# Allegro board MCU013_LAUNCHXL-CC1310_CC1190.brd (continued)
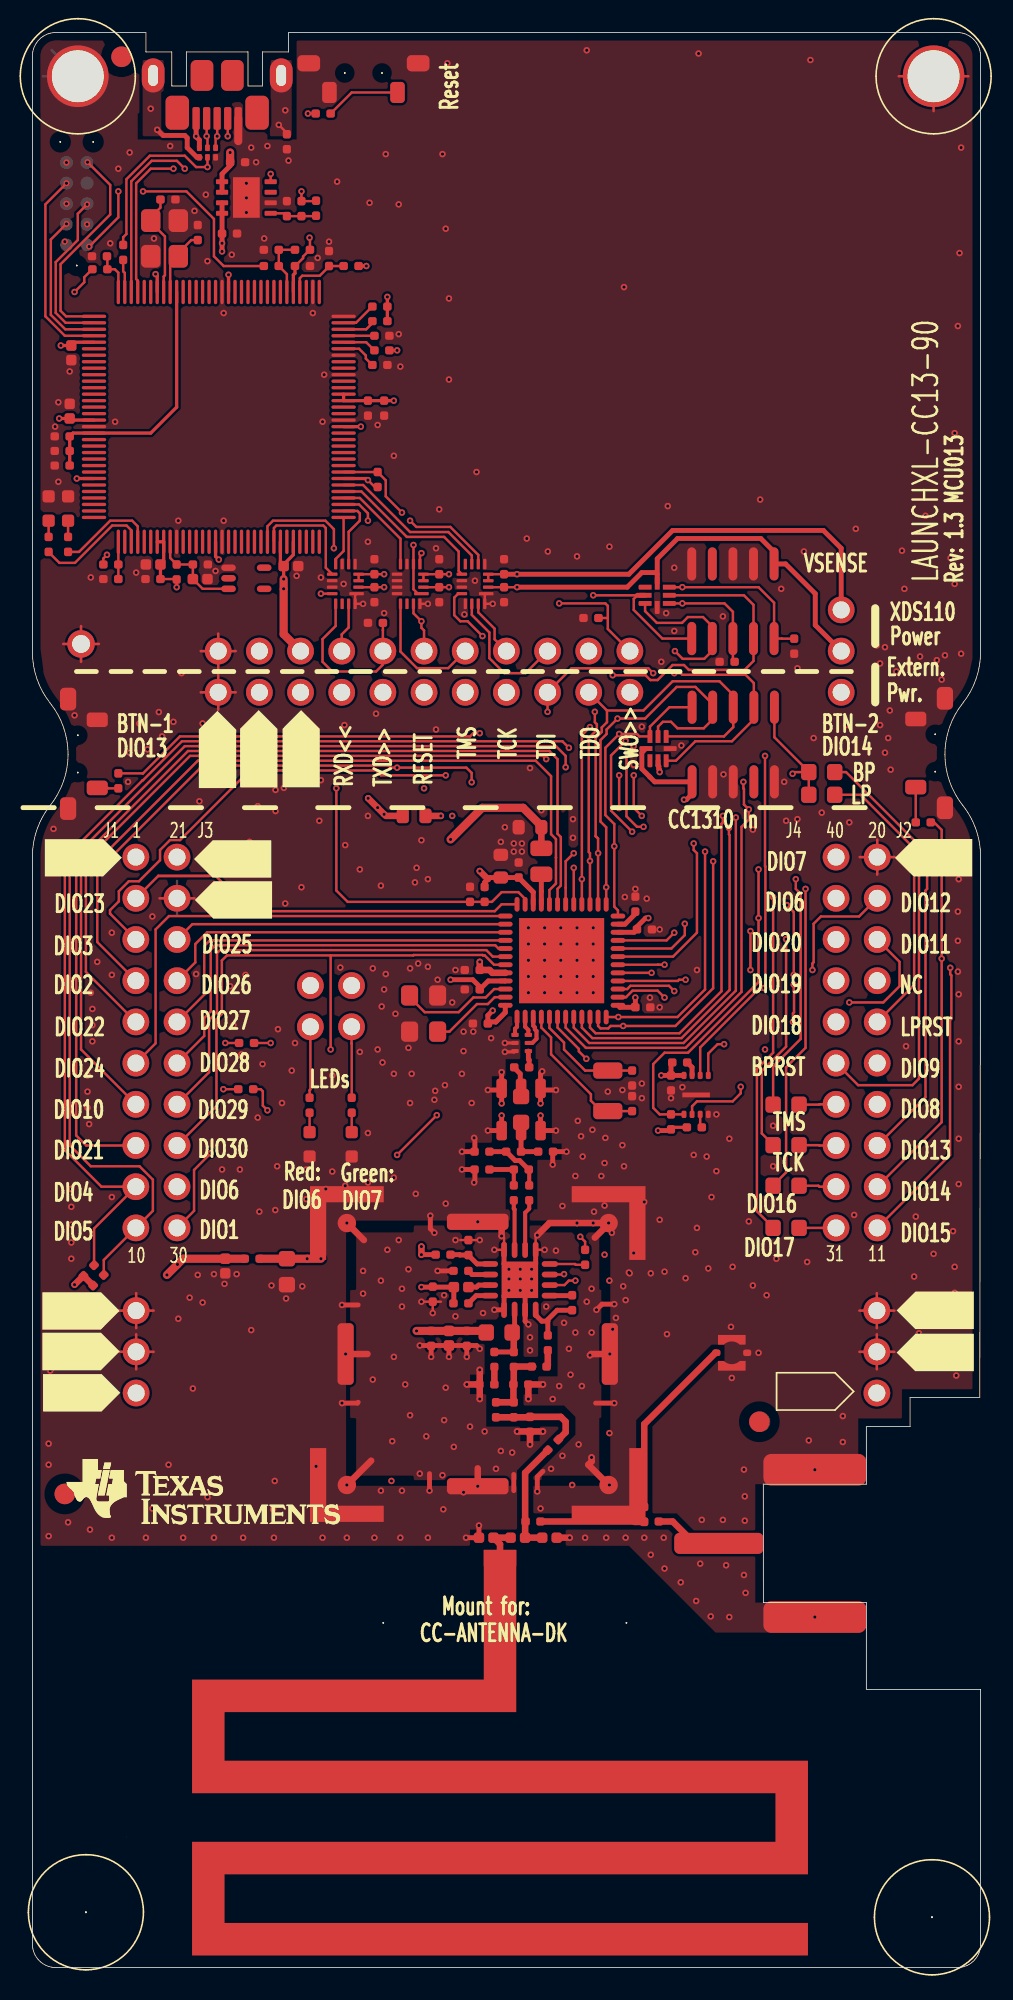
[diagram p0: board, top side]
## Footprints (pads in the part's own frame, mm; a bottom-side part is the same pattern mirrored in y, then rotated) (continued)
RESC1005X40B2N
  custom 0.524x0.5 smd: 1(0,0) 2(0.924,0)
RESC1005X40N
  custom 0.65x0.64 smd: 1(0,0) 2(0.9,0)
RESC1608X55N
  custom 0.95x1 smd: 1(0,0) 2(1.6,0)
SAMTEC_FTSH-105-01-F-DV-K-10L
  oval 0.551x2.05 smd: 1(0,0) 2(0,4.6) 3(1.27,0) 4(1.27,4.6) 5(2.54,0) 6(2.54,4.6) 7(3.81,0) 8(3.81,4.6) 9(5.08,0) 10(5.08,4.6)
SAMTEC_SSQ11023LD_A2B
  round 1.65 hole 1.05: 1(0,0) 2(2.54,0) 3(0,2.54) 4(2.54,2.54) 5(0,5.08) 6(2.54,5.08) 7(0,7.62) 8(2.54,7.62) 9(0,10.16) 10(2.54,10.16) 11(0,12.7) 12(2.54,12.7) 13(0,15.24) 14(2.54,15.24) 15(0,17.78) 16(2.54,17.78) 17(0,20.32) 18(2.54,20.32) 19(0,22.86) 20(2.54,22.86)
SON50P100X145X60-6N
  custom 0.3x0.402 smd: 1(0,0) 2(0.5,0) 3(1.001,0) 4(1.001,0.589) 5(0.5,0.589) 6(0,0.589)
SON50P300X200X60-9B2L
  custom 0.3x0.45 smd: 1(0,0) 2(0.5,0) 3(1,0) 4(1.5,0) 5(1.5,2.4) 6(1,2.4) 7(0.5,2.4) 8(0,2.4)
  rect 1.7x0.3 smd: 9(0.75,1.2)
SON65P300X300X100-9AL
  custom 0.3x0.75 smd: 1(0,0) 2(0.65,0) 3(1.3,0) 4(1.95,0) 5(1.95,3) 6(1.3,3) 7(0.65,3) 8(0,3)
  rect 2.5x1.65 smd: 9(0.975,1.5)
SOT65P210X110-5N
  oval 0.399x0.899 smd: 1(0,0) 2(0.65,0) 3(1.3,0) 4(1.3,2.2) 5(0,2.2)
SW_1188E1K2V_A2N
  round 0.099 hole 0.899 unplated: (2.229,0.6) (4.529,0.6)
  custom 1.4x1 smd: 1(0,0) 2(6.75,0)
  custom 0.9x1.3 smd: 3(1.275,1.8) 4(5.475,1.8)
TAGCONNECT_TC2050IDCNLN
  round 0.099 hole 1.001 unplated: (-1.27,0.635) (6.35,-0.38) (6.35,1.65)
  round 0.8 smd: 1(0,0) 2(1.27,0) 3(2.54,0) 4(3.81,0) 5(5.08,0) 6(5.08,1.27) 7(3.81,1.27) 8(2.54,1.27) 9(1.27,1.27) 10(0,1.27)
unnamed#2
  round 0.099 hole 3.2 unplated: (0,0) (15,0)
XFMR_0850BM14E0016_A2N
  custom 0.25x0.45 smd: 1(0,0) 2(0.5,0) 3(1,0) 4(1,0.825) 5(0.5,0.825) 6(0,0.825)
XTAL_FC-135N
  custom 1x1.798 smd: 1(0,0) 2(2.499,0)

## Nets
+5V: J1.2 P2.1 P4.20
GND: A1.2 A3.2 C3.2 C4.2 C5.2 C6.2 C7.2 C8.2 C9.2 C16.2 C17.2 C18.2 C19.2 C20.2 C25.2 C27.2 C28.2 C29.2 C30.2 C32.2 C33.2 C34.2 C35.2 C36.2 C37.2 C38.2 C39.2 C40.2 C41.2 C42.2 C43.2 C44.2 C45.2 C46.2 C48.2 C49.2 C50.2 C52.2 C53.2 C54.2 C55.2 C56.2 C57.2 C59.2 C111.2 C131.1 C161.1 C210.2 C212.1 C216.2 C217.2 CR1.1(C) CR2.1(C) CR4.1(C) CR5.1(C) CR6.3 CR7.4 CR8.4 FL2.1 FL2.3 FL2.4 FL2.6 J1.4 J2.2 J6.5 MH3.1 MH4.1 MH5.1 P1.2 P1.3 P2.2 P2.3 P4.21 P4.22 P5.3 P5.5 P5.9 P7.3 P7.5 P7.9 P8.3 P8.5 P8.9 P11.2 P11.M1 P11.M2 P12.M1 P12.M2 R21.2 R24.2 R28.1 R29.2 R32.1 R34.1 R61.1 R62.1 R63.1 R65.1 R141.2 R155.2 R156.2 SC1.1 SC1.2 SC1.3 SC1.4 SC1.5 SC1.6 SC1.7 SC1.8(GND#8) SW1.1 SW1.2 SW1.3 SW2.1 SW2.2 SW2.4 SW3.1 SW3.2 SW3.4 TR1.5 TR1.6 U1.49 U4.4 U4.9 U5.10 U5.17 U5.48 U5.55 U5.58 U5.64 U5.66 U5.80 U5.114 U6.1 U7.6 U7.9 U8.1 U8.5 U8.7 U8.10 U8.11 U8.16 U9.1 U9.5 U9.10 U9.11 U9.13 U9.16 U10.7 U10.9 U10.10 U10.11 U10.12 U10.16 U11.1 U11.3 U11.9 U11.12 U11.17 Y2.2 Y2.4 Y3.2 Y3.4(NC_4)
VDDC: C43.1 C44.1 C45.1 U5.87(VDDC#87) U5.115
VDDR: C8.1 C9.1 C16.1 L1.2 U1.45 U1.48
VDDS: C3.1 C4.1 C5.1 C6.1 C7.1 FL1.1 R1.2 U1.13 U1.22 U1.34 U1.44
BP_RESET: J2.11 R52.2
CC1190_RFIO: C15.2 FL2.2 R153.2
CC1190_VDD: C27.1 C28.1 C29.1 C161.2 C217.1 L21.1 L131.2 L161.2 L163.2 R151.1
CC1310_RESET: C20.1 CR8.2 P4.12 P5.10 R1.1 R51.2 R52.1 U1.35
CC1310_RXD: J1.7 P4.16 U1.7
CC1310_SWO: J2.9 P4.2 U1.28
CC1310_TCK: CR8.6 P4.8 P5.4 R47.2 U1.25
CC1310_TMS: CR8.7 P4.10 P5.2 R46.2 U1.24
CC1310_TXD: J1.5 P4.14 U1.8
CC1310_VDD: C30.1 C216.1 CR8.8(VCC) FL1.2 J1.1 L163.1 P1.1 P4.18 P5.1 P10.3 R2.2 R3.2 R11.2 R59.2 R60.2 U4.8(VCC)
DCDC_SW: L1.1 U1.33
DIO1: J1.20 U1.6
DIO4_SCL: J1.17 R2.1 U1.9
DIO5_SDA: J1.19 R3.1 U1.10
DIO6_RLED: J2.3 P6.2 U1.11
DIO7_GLED: J2.1 P6.4 U1.12
DIO8_MISO: J2.14 U1.14 U4.2
DIO9_MOSI: J2.12 U1.15(DIO_9) U4.5
DIO10_SCLK: J1.13 U1.16 U4.6
DIO11_CS: J2.6 U1.17
DIO12: J2.4 U1.18
DIO13_BTN1: J2.16 R56.2 U1.19
DIO14_BTN2: J2.18 R55.2 U1.20
DIO15: J2.20 U1.21
DIO16_TDO: CR8.5 P4.4 P5.6 R48.2 U1.26
DIO17_TDI: CR8.3 P4.6 P5.8 R49.2 U1.27
DIO19_CTS: J2.7 U1.29
DIO20_FLASH_CS: J2.5 R11.1 U1.30 U4.1
DIO21: J1.15 U1.31
DIO22: J1.9 U1.32
DIO23_ANALOG: J1.3 U1.36
DIO24_ANALOG: J1.11 U1.37
DIO25_ANALOG: J1.6 U1.38
DIO26_ANALOG: J1.8 U1.39
DIO27_ANALOG: J1.10 U1.40
DIO28_CC1190_HGM: J1.12 R66.1 U1.41
DIO29_CC1190_LNA_EN: J1.14 R71.1 U1.42
DIO30_CC1190_PA_EN: J1.16 R81.1 U1.43
IRSTN: P8.10 R20.2
ITCK: P8.4 U5.100
ITDI: P8.8 U5.98
ITDO: P8.6 U5.97
ITMS: P8.2 U5.99
LP_RESET: J2.10 R51.1
USB_DM: CR6.5 J6.2 U5.93
USB_DP: CR6.4 J6.3 U5.94
USB_ID: CR6.2 J6.4 R19.1
USB_VBUS: C48.1 CR6.6 J6.1(VCC) P4.19 R22.2 R152.1 U7.1 U7.2 U7.8
V-SENSE: C53.1 C55.1 C57.1 CR7.8(VCC) P7.1 P10.2 U8.2(VCCB) U9.2(VCCB) U10.2(VCCB)
XDS_RESET: R58.1 U5.40 U10.1 U10.6
XDS_RESET_LS: CR7.2 P4.11 P7.10 R57.2 U10.15
XDS_RX: U5.33 U8.8
XDS_RX_LS: P4.13 R61.2 U8.13
XDS_SWO: U5.25 U8.9
XDS_SWO_LS: P4.1 R62.2 U8.12
XDS_TCK: U5.35 U9.6
XDS_TCK_LS: CR7.6 P4.7 P7.4 U9.15
XDS_TDI: U5.38 U9.7
XDS_TDI_LS: CR7.3 P4.5 P7.8 U9.14
XDS_TDO: U5.37 U9.9
XDS_TDO_LS: CR7.5 P4.3 P7.6 R63.2 U9.12
XDS_TMS: U5.36 U10.8
XDS_TMS_DIR: U5.24 U10.5
XDS_TMS_LS: CR7.7 P4.9 P7.2 R65.2 U10.13
XDS_TX: U5.34 U8.6
XDS_TX_LS: P4.15 U8.15
XDS_VCC: C35.1 C36.1 C37.1 C38.1 C39.1 C40.1 C41.1 C42.1 C47.1 C49.1 C52.1 C54.1 C56.1 P4.17 P8.1 P10.1 R17.2 R18.2 R27.1 R30.2 R31.2 R33.2 R39.1 R58.2 U5.7 U5.8 U5.16 U5.26 U5.28 U5.39 U5.47 U5.51 U5.52 U5.69 U5.79 U5.90 U5.101 U5.113 U5.122 U7.3 U7.4(OUT#4) U8.3 U8.4 U9.3 U9.4 U10.3 U10.4
N949215: R17.1 R20.1 R21.1 U5.70
N949243: R30.1 U5.60
N949263: C47.2 R33.1 R34.2 U7.5
N949375: R28.2 U5.59
N949517: R22.1 R24.1 U5.1
N949687: C34.1 U5.89 Y3.3
N949695: C33.1 U5.88 Y3.1
N950083: C32.1 C50.1 R18.1 U5.9 U6.3
N950235: R19.2 U5.95
N951001: R39.2 U5.63
N951013: R29.1 U5.61
N951017: R27.2 U5.62
N952443: C46.1 R31.1 U5.68
N1004371: R23.2 U5.3
N1004534: R25.2 U5.4
N1013277: U1.46 Y2.3
N1013919: C15.1 TR1.1(UBP)
N1014101: C17.1 U1.4 Y1.1
N1014113: C18.1 U1.5 Y1.2
N1018952: U1.47 Y2.1
N1031635: CR6.1 J6.M1 J6.M2 R32.2
N1105722: CR1.2 R15.1
N1105771: CR2.2 R14.1
N1105824: P6.1 R14.2
N1106228: P6.3 R15.2
N1176544: J2.13 R46.1
N1176548: J2.15 R47.1
N1176568: J2.17 R48.1
N1177007: J2.19 R49.1
N1288065: R55.1 SW2.3
N1288098: R56.1 SW1.4
N1384129: R57.1 SW3.3
N1393569: C19.1 U1.23
N1442334: R59.1 U4.3
N1442341: R60.1 U4.7
N1462615: R81.2 U11.8
N1462623: R71.2 U11.7
N1462627: C213.2 C214.2 U11.4
N1462755: C215.1 L21.2 L25.1 U11.2
N1462771: C131.2 L131.1 U11.13
N1462879: L161.1 U11.16
N1462923: C210.1 L25.2
N1463021: C214.1 L26.2
N1463025: C24.1 C212.2 C215.2 L26.1 L27.1
N1463037: C213.1 U11.5
N1463305: C24.2 C25.1 L24.1 L27.2
N1463467: C219.2 L111.2 R154.2 R155.1
N1463499: C111.1 FL2.5(OUT) L111.1 R153.1
N1463655: R151.2 U11.15(VDD_PA2)
N1486885: C59.1 R152.2 U5.96
N1492721: A1.1 A2.1 L24.2 R158.2
N1607579: C218.2 R154.1 R156.1
N1607593: C218.1 U11.11
N1607716: R141.1 U11.14
N1608859: P12.1 R13.1
N1608868: P11.1 R157.1
N1608876: R13.2 R157.2 R158.1
N1616867: A2.2 A3.1 ANT1.1
N1639516: TR1.4 U1.1
N1639598: TR1.3 U1.2
N1639697: TR1.2 U1.3
N1666431: C219.1 U11.10
N10367920: CR5.2 R25.1
N10368080: CR4.2 R23.1
N14625751: R66.2 U11.6

Pads without a net: CR7 1; CR8 1; FIDU1 1; FIDU2 1; FIDU3 1; FIDU4 1; FIDU5 1; FIDU6 1; J1 18; J2 8; LBL1 1; P5 7; P7 7; P8 7; U5 2 5 6 11 12 13 14 15 18 19 20 21 22 23 27 29 30 31 32 41 42 43 44 45 46 49 50 53 54 56 57 65 67 71 72 73 74 75 76 77 78 81 82 83 84 85 86 91 92 102 103 104 105 106 107 108 109 110 111 112 116 117 118 119 120 121 123 124 125 126 127 128; U6 2 4 5; U7 7; U8 14; U9 8; U10 14

## Via types
v1: diameter 0.4, hole 0.2, TOP to BOTTOM, 679 vias
v2: diameter 0.5, hole 0.201, TOP to BOTTOM, 28 vias

## Routing (per net, layer and track width the routed paths; a pad name or vN(x,y) marks a point on that pad's centre or on a via; arc(x,y) is an arc through that point)
+5V: length 58.7
  L3 w0.5: P2.1 3.48,35.42 0.9,38 0.9,68.6 2.3,70 7.38,70 J1.2 14.01,73.55 14.01,77.41 14,77.42 P4.20
GND: length 218.4
  TOP w0.15: 26.4,44.85 C131.1 27.4,44.85 ; P4.21 12.54,81.16 ; P4.21 11.46,82.24 ; P4.21 11.46,80.08 ; P4.21 10.39,81.16 ; 52.12,67.38 J2.2 ; J2.2 52.12,69.54 ; J2.2 51.05,68.46 ; J2.2 53.2,68.46 ; P2.2 7.48,37.96 ; P2.2 5.32,37.96 ; P2.2 6.4,36.88 ; P2.2 6.4,39.04 ; 7.85,65.92 J1.4 ; J1.4 10,65.92 ; J1.4 8.92,65.38 ; MH4.1 57.75,116.6 ; MH4.1 55.6,114.45 ; MH4.1 53.45,116.6 ; 31.48,44.25 U11.9 31.05,45 ; 24.7,40.54 C161.1 ; C161.1 25.2,41.05 ; C161.1 24.2,41.05 ; P1.3 53.18,40.5 ; P1.3 52.1,39.42 ; P1.3 51.02,40.5 ; P1.3 52.1,41.58 ; 5.32,40.5 P2.3 ; P2.3 6.4,39.42 ; P2.3 6.4,41.58 ; P2.3 7.48,40.5 ; 28.67,44.25 U11.12 29.1,45 ; 25.1,38.33 C29.2 24.1,38.33 ; P4.22 12.54,78.62 ; P4.22 11.46,79.7 ; P4.22 11.46,77.54 ; P4.22 10.39,78.62 ; 1.9,81.6 MH5.1 ; MH5.1 4.1,81.6 ; MH5.1 3,82.7 ; MH5.1 3,80.5 ; 27.3,38.33 C27.2 26.3,38.33 ; v1(20.4,84.07) U8.16 19.91,84.61 U8.1 ; 52.1,36.88 P1.2 ; P1.2 51.02,37.96 ; P1.2 52.1,39.04 ; P1.2 53.18,37.96 ; v1(28.4,84.07) U9.16 27.91,84.6 28,84.69 U9.1 ; U10.16 v1(24.4,84.07)
  TOP w0.2: TR1.6 29.72,56.45 v1(29.15,56.45) ; v1(29.15,57) TR1.5
  TOP w0.3: v1(28.1,54.1) 28.85,54.1 FL2.3 ; v1(31.35,52.53) FL2.6 v1(32.3,51.6) ; v1(28.95,52.53) FL2.4 v1(28.1,51.6) ; 31.5,30.6 31.15,30.25 v1(31.15,29.35) ; v1(23.9,38.35) 24.6,38.35 ; 24.6,38.35 C28.2 ; 24.6,38.35 C29.2 24.6,37.75 ; U11.9 31.05,43.38 U11.17 ; U11.17 29.1,43.38 U11.12 ; U11.17 30.4,42.07 U11.3 30.4,39.85 v1(30.6,39.65) ; U11.17 29.1,41.43 U11.1 v1(28.5,40.55) ; v1(32.1,49.5) 32.1,50.28 C111.2 v1(32.95,50.3) ; v1(35.9,40.9) 35.15,40.9 v1(34.8,40.55) ; v1(24.8,45.3) 24.55,45.55 v1(24.55,46.35) ; v1(35.9,34.8) 34.75,34.8 ; v1(19.1,40.85) 20.1,40.85 ; 26.8,38.35 27.4,38.35 v1(27.6,38.15) ; 26.8,38.35 C28.2 ; 26.8,38.35 C27.2 26.8,37.75 ; v1(28.95,53.27) FL2.3 ; FL2.3 v1(28.95,55.2) ; FL2.1 31.35,55.15 v1(31.45,55.25) ; FL2.1 31.45,54.1 v1(32.3,54.1) ; FL2.1 v1(31.35,53.27) ; 20.1,34.85 20.05,34.8 v1(19.1,34.8) ; 26,42.95 R141.2 v1(25,42.95) ; v1(26.5,49.2) 26.5,49.2 R156.2 27.3,49.2 27.3,48.45 v1(27.25,48.4) ; 29.7,29.4 29.7,30.4 ; 25.7,37.75 C28.2 ; v1(24.5,29.4) 24.5,30.45 ; v1(27.25,51.15) 27.3,51.1 27.3,50.3 R155.2 v1(26.5,50.3) ; 27.53,27.23 v1(27.55,27.25) A3.2 v1(26.75,26.5)
  TOP w0.4: v1(19.32,37.82) 20.68,37.82 ; 30.7,33.05 C25.2 v1(30.7,32.25) ; 30.7,33.05 v1(31.5,33.05) ; 30.7,33.05 v1(29.9,33.05) ; v1(31.5,35.95) C212.1 v1(30.6,35.05) ; v1(27.6,36.85) 27.6,35.95 ; 27.6,35.95 v1(27.6,35.05) ; 27.6,35.95 C210.2 v1(26.8,35.95) ; v1(19.4,45.9) 20.45,44.85 ; v1(34.4,37.75) 34.47,37.82 v1(35.62,37.82) ; SC1.3 34.3,31 34.5,31.2 v1(34.5,31.45) ; v1(28.95,45.1) 28.95,45.57 28.55,45.97 v1(27.47,45.97) ; 34.7,45 35.55,45.85 v1(35.55,45.9) v1(34.6,45.9) v1(33.6,45.9) 31.9,45.9 v1(31.15,45.15) ; v1(19.4,29.75) 20.9,31.25 ; A1.2 v1(33.15,26.5) ; v1(27.47,29.68) 27.47,30.78
  TOP w0.5: J6.5 12.7,112.6
  L2 w0.15: 11.46,80.08 P4.21 ; P4.21 12.54,81.16 ; P4.21 11.46,82.24 ; P4.21 10.39,81.16 ; P2.2 7.48,37.96 ; P2.2 6.4,36.88 ; P2.2 5.32,37.96 ; P2.2 6.4,39.04 ; 0.65,116.6 MH3.1 ; MH3.1 4.95,116.6 ; MH3.1 2.8,114.45 ; 55.6,114.45 MH4.1 ; MH4.1 57.75,116.6 ; MH4.1 53.45,116.6 ; 1.9,81.6 MH5.1 ; MH5.1 4.1,81.6 ; MH5.1 3,80.5 ; MH5.1 3,82.7 ; 10.39,78.62 P4.22 ; P4.22 11.46,77.54 ; P4.22 11.46,79.7 ; P4.22 12.54,78.62 ; J1.4 8.92,67 ; J1.4 10,65.92 ; J1.4 8.92,64.84 ; J1.4 7.85,65.92 ; J2.2 52.12,69.54 ; J2.2 51.05,68.46 ; J2.2 53.2,68.46 ; J2.2 52.12,67.38 ; P2.3 6.4,41.58 ; P2.3 5.32,40.5 ; P2.3 7.48,40.5 ; P2.3 6.4,39.42 ; P1.2 52.1,39.04 ; P1.2 51.02,37.96 ; P1.2 52.1,36.88 ; P1.2 53.18,37.96 ; P1.3 52.1,41.58 ; P1.3 51.02,40.5 ; P1.3 52.1,39.42 ; P1.3 53.18,40.5
  BOTTOM w0.15: 52.1,39.42 P1.3 ; P1.3 51.02,40.5 ; P1.3 52.1,41.58 ; P1.3 53.18,40.5 ; J1.4 10,65.92 ; J1.4 7.85,65.92 ; J1.4 8.92,67 ; J1.4 8.92,64.84 ; MH5.1 4.1,81.6 ; MH5.1 3,82.7 ; MH5.1 1.9,81.6 ; MH5.1 3,80.5 ; P4.22 11.46,79.7 ; P4.22 11.46,77.54 ; P4.22 12.54,78.62 ; P4.22 10.39,78.62 ; 10.39,81.16 P4.21 ; P4.21 11.46,80.08 ; P4.21 11.46,82.24 ; P4.21 12.54,81.16 ; P2.3 6.4,41.58 ; P2.3 7.48,40.5 ; P2.3 6.4,39.42 ; P2.3 5.32,40.5 ; 6.4,36.88 P2.2 ; P2.2 7.48,37.96 ; P2.2 5.32,37.96 ; P2.2 6.4,39.04 ; P1.2 52.1,39.04 ; P1.2 52.1,36.88 ; P1.2 51.02,37.96 ; P1.2 53.18,37.96 ; 52.12,67.38 J2.2 ; J2.2 53.2,68.46 ; J2.2 51.05,68.46 ; J2.2 52.12,69.54 ; 0.65,116.6 MH3.1 1.18,118.22
  vias: v1(1,32.3) v1(1,31) v1(1,26.6) v1(1.1,36.8) v1(1.3,70.2) v1(1.4,95) v1(1.6,96.5) v1(1.6,91.6) v1(1.9,41) v1(2.1,111.28) v1(2.1,108.74) v1(2.2,27.45) v1(2.3,98.4) v1(2.3,38.2) v1(2.4,48) v1(2.4,46.9) v1(2.4,45.8) v1(2.4,44.7) v1(2.4,43.7) v1(2.6,77.2) v1(2.9,40.2) v1(3.37,107.47) v1(3.4,55) v1(3.4,54) v1(3.4,53) v1(3.5,52) v1(3.6,85.7) v1(3.6,60.1) v1(3.55,27) v1(3.7,59.1) v1(3.7,58.1) v1(3.7,57.1) v1(4,62) v1(4.8,106.3) v1(4.9,63.8) v1(4.9,61.2) v1(4.9,47.5) v1(4.9,26.5) v1(5.1,95.3) v1(5.3,110.9) v1(5.9,73.1) v1(6,111.9) v1(6,74.9) v1(6.4,86) v1(6.6,76.7) v1(7,26.5) v1(7.1,75.1) v1(7.4,64.8) v1(7.4,28.3) v1(7.5,106.6) v1(7.8,77.4) v1(8,75.9) v1(8.4,31) v1(8.5,112.3) v1(8.7,76.8) v1(9,89.2) v1(9,40) v1(9.2,79.8) v1(9.3,26.5) v1(9.7,41.3) v1(9.9,35.7) v1(10,108.3) v1(10.1,61.25) v1(10.2,42.7) v1(10.3,71.9) v1(10.5,76.7) v1(10.5,41) v1(10.7,109.3) v1(10.7,65.7) v1(10.8,105.2) v1(10.8,29) v1(11.2,42.75) v1(11.2,26.5) v1(11.3,86.1) v1(11.4,65.4) v1(11.6,68.6) v1(11.7,49.2) v1(11.8,102) v1(11.8,89.2) v1(11.8,73.1) v1(11.85,42.15) v1(12.2,60.5) v1(12.3,105.6) v1(12.4,58.1) v1(12.6,42.75) v1(12.8,49.2) v1(12.9,56.3) v1(13,26.5) v1(13.2,66.2) v1(13.15,61.2) v1(13.4,69.4) v1(13.5,112.2) v1(13.5,39.3) v1(13.8,111.3) v1(13.9,71.6) v1(13.9,52.4) v1(14,46.6) v1(14.2,55.7) v1(14.3,106.6) v1(14.5,112.3) v1(14.75,42.05) v1(14.85,28.25) v1(14.95,30) v1(14.9,26.5) v1(15,72.6) v1(15,71.3) v1(14.98,46.7) v1(15.1,49.4) v1(15.15,57.85) v1(15.4,53.3) v1(15.51,72.73) v1(15.6,65.6) v1(15.65,41.25) v1(15.8,111.4) v1(16,55.3) v1(16.2,57) v1(16.3,85.8) v1(16.6,66.6) v1(16.65,42) v1(16.9,49.2) v1(16.9,47.37) v1(17.3,102) v1(17.5,30.9) v1(17.6,105.4) v1(17.7,70.7) v1(17.8,85.7) v1(17.8,73.2) v1(17.9,95.3) v1(17.9,26.5) v1(18,98.2) v1(18.1,48) v1(18.3,106.4) v1(18.5,55) v1(18.5,49.08) v1(18.8,110.1) v1(19,61.65) v1(19.2,85.3) v1(19.25,76.6) v1(19.3,69.2) v1(19.3,48.2) v1(19.4,26.5) v1(20.2,67.7) v1(20.2,56.45) v1(20.4,42.95) v1(20.4,41.55) v1(20.7,87.9) v1(20.7,71) v1(20.7,51.45) v1(20.7,48.4) v1(20.8,108.8) v1(21,61.6) v1(21,36.25) v1(21.1,26.5) v1(21.2,77.3) v1(21.3,95.1) v1(21.3,56.6) v1(21.5,66.7) v1(21.5,42.35) v1(21.5,29.4) v1(21.55,59.25) v1(21.6,55.8) v1(21.7,83.5) v1(21.7,60.3) v1(21.8,111.8) v1(21.8,61.25) v1(21.9,44.25) v1(22.2,32.45) v1(22.15,30) v1(22.3,93.2) v1(22.3,55.1) v1(22.3,48.7) v1(22.3,37.65) v1(22.4,58.8) v1(22.6,108.7) v1(22.6,100.7) v1(22.6,44.85) v1(22.7,98.7) v1(22.7,26.5) v1(22.8,41.85) v1(22.8,40.75) v1(22.8,29.4) v1(23,35.95) v1(23.2,56.7) v1(23.2,43.05) v1(23.3,61.6) v1(23.3,53.3) v1(23.3,34.05) v1(23.4,55.1) v1(23.6,66.9) v1(23.7,67.8) v1(23.65,47.7) v1(23.8,61.9) v1(23.9,30.45) v1(24,69.5) v1(24,41.05) v1(24.3,32.75) v1(24.4,67.1) v1(24.4,61.7) v1(24.4,26.5) v1(24.6,37.65) v1(24.7,40.35) v1(24.85,54.05) v1(24.8,53.5) v1(24.9,87.5) v1(24.9,76.32) v1(25,60.9) v1(25.1,89.9) v1(25.3,111.8) v1(25.3,30.35) v1(25.35,28.25) v1(25.45,54.4) v1(25.4,41.45) v1(25.4,33.75) v1(25.5,107.2) v1(25.5,47.1) v1(25.5,35.75) v1(25.6,117.4) v1(25.7,102.9) v1(25.7,97.9) v1(25.7,37.65) v1(25.9,59.5) v1(26,32.1) v1(26.1,61.5) v1(26.1,44.85) v1(26.1,40.15) v1(26.5,55.1) v1(26.6,57.7) v1(26.6,56.5) v1(26.6,29.3) v1(26.65,83.42) v1(26.8,37.65) v1(27,33.35) v1(27.1,53.3) v1(27.2,57.7) v1(27.3,85.5) v1(27.4,92.2) v1(27.6,44.85) v1(27.8,40.35) v1(27.9,33.05) v1(28.3,57.3) v1(28.5,44.25) v1(28.6,30.75) v1(28.9,69.4) v1(28.9,31.85) v1(29.15,70.3) v1(29.4,43.05) v1(29.4,42.45) v1(29.4,41.75) v1(29.6,31.75) v1(29.7,69.3) v1(29.7,68.8) v1(30.1,43.05) v1(30.1,42.45) v1(30.1,41.75) v1(30.2,69.3) v1(30.2,68.8) v1(30.5,88.1) v1(30.7,73.95) v1(30.7,38.85) v1(30.7,38.05) v1(30.8,43.05) v1(30.8,42.45) v1(30.8,41.75) v1(31.35,28.3) v1(31.4,71.35) v1(31.6,44.25) v1(31.7,40.75) v1(31.8,87.3) v1(32,30.75) v1(32.1,35.05) v1(32.3,44.2) v1(32.5,35.85) v1(32.7,46.95) v1(32.7,31.55) v1(32.8,39.75) v1(33.1,38.15) v1(33.2,36.55) v1(33.35,70.8) v1(33.35,69.65) v1(33.3,29.75) v1(33.5,48.8) v1(33.5,39.15) v1(33.6,87) v1(33.65,52.2) v1(33.7,32.25) v1(33.85,51.25) v1(33.95,50) v1(33.9,35.85) v1(34.1,26.5) v1(34.2,118.2) v1(34.2,41.05) v1(34.5,41.85) v1(34.5,39.15) v1(34.55,51.65) v1(34.65,46.6) v1(35.1,48.8) v1(35.35,51.15) v1(35.3,49.6) v1(35.3,46.98) v1(35.3,43.95) v1(35.4,26.5) v1(35.5,54) v1(35.6,87.6) v1(35.6,42.35) v1(35.6,32.95) v1(35.6,29.75) v1(35.75,45.3) v1(35.8,39.35) v1(36,40.05) v1(36.4,54.1) v1(36.4,50.7) v1(36.45,42) v1(36.5,103.6) v1(36.5,49.4) v1(36.55,66) v1(36.6,41.15) v1(36.6,26.5) v1(36.8,42.85) v1(36.85,42.8) v1(37.1,74.15) v1(37.1,44.05) v1(37.2,66.5) v1(37.6,76.5) v1(37.6,54.5) v1(37.6,53.6) v1(37.75,47.2) v1(37.75,26.5) v1(37.9,65.9) v1(38.1,59.8) v1(38.15,42.8) v1(38.15,25.45) v1(38.7,64) v1(38.7,59.2) v1(38.7,46.1) v1(38.8,80.5) v1(38.95,26.5) v1(39,42.9) v1(39,24.6) v1(39.1,83.5) v1(39.2,90.1) v1(39.15,39.05) v1(39.4,53.6) v1(39.6,86.3) v1(39.6,82.4) v1(40.04,75.34) v1(40,23.75) v1(40.1,54.28) v1(40.3,42.5) v1(40.8,50.1) v1(40.9,44.1) v1(40.95,22.6) v1(41,61.5) v1(41,45.6) v1(41.1,118) v1(41.2,24.9) v1(41.3,27.6) v1(41.6,50) v1(41.7,43.1) v1(41.85,21.65) v1(41.9,47.5) v1(42.2,52.6) v1(42.2,49.1) v1(42.6,83.3) v1(42.64,73.56) v1(42.6,27.6) v1(42.8,24.8) v1(43,51.1) v1(43,21.61) v1(43.1,39.5) v1(43.2,43.2) v1(43.15,36.35) v1(43.9,30.7) v1(43.95,29.05) v1(43.95,27.55) v1(43.9,24.2) v1(44,23.1) v1(44.2,46) v1(44.45,70.15) v1(44.45,42.05) v1(44.8,37.9) v1(44.9,90.5) v1(45.3,41.45) v1(45.7,51.9) v1(45.7,49.4) v1(45.9,43.7) v1(46.2,85) v1(46.38,73.1) v1(46.5,70.7) v1(47.2,80.1) v1(47.2,70.8) v1(47.6,87.3) v1(47.8,43.5) v1(47.9,32.5) v1(48,117.6) v1(48.2,75.8) v1(48.28,30.69) v1(48.28,21.61) v1(48.7,71.2) v1(50,34) v1(50,32.4) v1(50.2,76.6) v1(50.4,70.6) v1(50.7,46.4) v1(50.8,88.7) v1(52.08,81.5) v1(52.3,80.4) v1(52.3,76.6) v1(52.6,81.4) v1(52.6,74.9) v1(52.8,75.8) v1(52.9,77.5) v1(52.95,73.85) v1(53.3,79.9) v1(53.65,87.35) v1(53.8,85) v1(53.9,56.8) v1(54.1,80.4) v1(54.4,42.6) v1(54.5,46.3) v1(54.7,39.1) v1(54.76,80.83) v1(55.1,89.5) v1(55.4,40.6) v1(55.6,44) v1(55.8,80.6) v1(56.1,79.4) v1(56.3,80.9) v1(56.65,86.9) v1(56.8,45.4) v1(56.9,94.6) v1(56.9,85.3) v1(56.9,43.2) v1(56.9,41.6) v1(57,69.3) v1(57,36.5) v1(57.1,101.2) v1(57.15,67.1) v1(57.1,65.1) v1(57.1,63.3) v1(57.1,61.4) v1(57.15,60) v1(57.15,57.1) v1(57.15,54.3) v1(57.15,51.1) v1(57.15,48.3) v1(57.2,105.7) v1(57.3,112.2) v1(57.3,81) v2(13.2,110) v2(13.2,109.1) v2(13.2,108.2) v2(30.6,64.1) v2(30.6,63.1) v2(30.6,62.1) v2(30.6,61.1) v2(30.6,60.1) v2(31.6,64.1) v2(31.6,63.1) v2(31.6,62.1) v2(31.6,61.1) v2(31.6,60.1) v2(32.6,64.1) v2(32.6,63.1) v2(32.6,62.1) v2(32.6,61.1) v2(32.6,60.1) v2(33.6,64.1) v2(33.6,63.1) v2(33.6,62.1) v2(33.6,61.1) v2(33.6,60.1) v2(34.6,64.1) v2(34.6,63.1) v2(34.6,62.1) v2(34.6,61.1) v2(34.6,60.1)
VDDC: length 16.2
  TOP w0.2: C45.1 C44.1 C43.1 2.5,94.6 U5.115 7.3,94.6 8.9,96.2 U5.87
VDDR: length 28.7
  TOP w0.3: v1(28.4,59) 28.1,58.7 28.1,58.3 ; v1(25.8,60.9) 27.17,60.9 27.6,60.47 C16.1 28.12,60.82 U1.45 ; 28.2,58.3 28.58,58.3 ; 28.2,58.3 C9.1 28.1,58.3 ; 28.2,58.3 28.1,58.3 ; 28.58,58.3 28.6,58.3 29.18,58.88 U1.48 ; 28.58,58.3 29.18,58.9
  TOP w0.4: L1.2 C8.1
  TOP w0.5: C8.1 31.4,70.38 30.28,71.5 27.75,71.5 v1(25.8,69.55)
  L3 w0.3: v1(28.4,59) 27.22,59 25.8,60.42 v1(25.8,60.9)
  L3 w0.4: v1(25.8,60.9) 25.2,61.5 25.2,68.95 v1(25.8,69.55)
VDDS: length 41.4
  TOP w0.3: 37.08,59.32 C3.1 ; C3.1 36.25,59.2 U1.13 ; C3.1 v1(37.2,59.8) ; C7.1 C6.1 28.2,67.2 27.9,66.9 R1.2 27.9,66.5 ; C7.1 30.9,66.3 U1.34 ; C7.1 30,67.19 30.9,66.29 ; v1(38,64.7) 37.83,64.7 37.3,64.17 C4.1 37.12,63.82 U1.22
  TOP w0.4: v1(27.6,62) C5.1 28.2,61.5 28.38,61.32 U1.44 ; v1(25.2,71) FL1.1 ; 28.1,67.1 v1(27.6,67.6)
  L3 w0.4: v1(38,64.7) 37.63,65.07 ; 37.63,65.07 37.25,65.45 36.85,65.45 ; 37.63,65.07 37.23,65.07 36.85,65.45 ; 36.85,65.45 28,65.45 27.6,65.85 ; v1(27.6,62) 27.6,65.85 ; 27.6,65.85 v1(27.6,67.6) 27.6,69.3 v1(25.9,71)
  L3 w0.5: v1(25.9,71) v1(25.2,71)
  L3 w0.6: v1(38,64.7) 37.2,63.9 v1(37.2,59.8)
BP_RESET: length 27.3
  TOP w0.15: J2.11 50.94,54.4 54.3,54.4 54.7,54.8 54.7,69.2 50.2,73.7 R52.2
CC1190_RFIO: length 2
  TOP w0.3: R153.2 FL2.2 30.1,54.25 30.1,55.1 29.73,55.47 C15.2
CC1190_VDD: length 12.6
  TOP w0.3: v1(24,43.95) L131.2 24.9,43.95 ; C161.2 24.68,41.95 ; 24.68,41.95 v1(24,41.95) ; 24.68,41.95 R151.1 26,40.97 L161.2
  TOP w0.4: v1(24,43.95) v1(24,44.45)
  TOP w0.5: L163.2 C217.1 v1(16.95,43.7) v1(17.8,43.7) ; L21.1 27.9,39.25 C27.1 C28.1 C29.1 v1(23.7,39.25)
CC1310_RESET: length 70.6
  TOP w0.15: v1(46.9,73.6) 47,73.7 R52.1 ; P5.10 45.78,75.84 47.9,73.72 R52.1 ; R52.1 R51.2 47.9,72.2 ; v1(18.75,72.7) 18.75,66.4 19.45,65.7 C20.1 R1.1 28.35,65.7 28.95,66.3 29.98,66.3 30.4,65.88 U1.35
  TOP w0.3: CR8.2 38.6,74.1 38.65,74.05 38.65,73.88 38.7,73.82 v1(38.7,73.7)
  L3 w0.15: v1(38.7,73.7) 38.99,73.99 46.51,73.99 v1(46.9,73.6) 46.9,72.85 46.75,72.7 46.59,72.7 46.56,72.68 43.69,72.68 43.66,72.7 27.33,72.7 27.28,72.65 26.92,72.65 26.87,72.7 v1(24.16,72.7) ; 24.2,77.56 24.16,77.59 ; 24.16,77.59 P4.12 ; 24.16,77.59 v1(24.16,72.7) ; v1(18.75,72.7) v1(24.16,72.7)
CC1310_RXD: length 83.9
  TOP w0.15: v1(27.1,73.07) 27.1,73.65 26.78,73.97 v1(22.5,73.97) 22.1,73.97 21.97,74.1 10.5,74.1 4,67.6 4,63.22 J1.7 ; U1.7 32.9,57.95 34.15,56.7 40.3,56.7 43.75,60.15 43.75,70.32 44.2,70.78 v1(44.2,71.4) 43.9,71.7 43.9,72.66 43.87,72.7 v1(43.87,73.1)
  L3 w0.15: P4.16 22.5,75.2 v1(22.5,73.97) ; v1(27.1,73.07) 27.5,73.07 27.58,73 37.2,73 37.3,73.1 v1(43.87,73.1)
CC1310_SWO: length 38.1
  TOP w0.15: v1(46.97,60.6) 46.97,60.2 46.99,60.18 46.99,58.89 46.93,58.83 v1(46.93,58.3) ; v1(34.4,76.47) 33.9,75.97 v1(33.9,67.1) U1.28 33.9,65.55 ; v1(44.3,61.5) v1(44.3,63.9)
  L3 w0.15: v1(44.3,61.5) 46,61.5 46.9,60.6 v1(46.97,60.6) ; v1(34.4,76.47) 36.71,76.47 36.86,76.62 P4.2 ; v1(44.3,63.9) 41.73,63.9 38.24,67.38 34.19,67.38 v1(33.9,67.1) ; v1(46.93,58.3) J2.9
CC1310_TCK: length 58.6
  TOP w0.15: R47.2 45.7,50.72 45,51.43 45,55.28 46.5,56.78 v1(46.5,63.4) ; CR8.6 38.6,76.5 38.9,76.8 39.4,76.8 39.8,76.4 41.42,76.4 41.97,76.95 P5.4 41.97,77.89 40.91,78.95 39.75,78.95 37.8,77 v1(36.1,77) 35.43,76.32 35.43,76.05 35.05,75.67 35.05,70.65 35.4,70.3 v1(35.4,66.6) U1.25
  L3 w0.15: v1(36.1,77) 35.7,77 35.6,76.9 30.96,76.9 P4.8 ; v1(35.4,66.6) 35.8,67 38.2,67 41.8,63.4 v1(46.5,63.4)
CC1310_TMS: length 54.9
  TOP w0.15: v1(47.1,67.1) 47.1,66.5 47.4,66.2 47.4,57.25 45.7,55.55 R46.2 ; P5.2 39.3,77.7 38.1,76.5 CR8.7 37.45,75.9 37.3,76.05 v1(36.2,76.05) 35.35,75.2 35.35,71.05 35.9,70.5 v1(35.9,69.12) 35.9,65.4 36.12,65.18 U1.24
  L3 w0.15: v1(35.9,69.12) 38.6,69.12 40.62,67.1 v1(47.1,67.1) ; v1(36.2,76.05) 33.85,76.05 33.4,76.5 28.82,76.5 P4.10
CC1310_TXD: length 81.3
  TOP w0.15: v1(43.4,70.9) 43.4,60.22 40.18,57 34.35,57 33.4,57.95 U1.8 ; v1(25.5,73.5) 21.5,73.5 21.2,73.8 13.4,73.8 9.11,69.51 8.49,69.51 7.87,68.9 7.87,68.27 6.57,66.97 5.95,66.97 5.33,66.35 5.33,65.73 4.79,65.19 4.79,64.97 J1.5 ; v1(36.2,71.49) v1(36.2,73.5)
  L3 w0.15: P4.14 22.67,79.67 25.18,79.67 25.5,79.35 v1(25.5,73.5) v1(36.2,73.5) ; v1(43.4,70.9) 43.4,71.3 43.22,71.49 v1(36.2,71.49)
CC1310_VDD: length 186
  TOP w0.2: R59.2 39.52,51.8 R11.2
  TOP w0.3: v1(38.6,51.6) 39.32,51.6 R11.2 ; v1(40.2,72) 40.35,72 40.7,72.35 P5.1 38.39,73.1 38.1,73.39 38.1,73.4 37.6,73.9 37.6,74.9 CR8.8 ; R60.2 39.4,55.72 C30.1 ; U4.8 C30.1 ; C30.1 v1(38.8,55) ; v1(21.7,71.1) 21.8,71
  TOP w0.4: v1(2.6,42.1) 3.15,42.65 3.75,42.05 ; 21.8,71 FL1.2 ; v1(20.72,72.09) v1(21.7,71.1)
  TOP w0.5: L163.1 C216.1 9.3,43.7 v1(8.95,43.35) v1(8.3,42.7)
  L3 w0.3: 21.3,71.5 v1(21.3,71.51)
  L3 w0.4: v1(20.72,72.09) 21.25,71.55 21.26,71.55 v1(21.3,71.51) ; v1(21.7,71.1) 21.3,71.5 ; P1.1 45.85,41.67 45.85,41.68 45.53,42 45.52,42 38.97,48.55 38.97,51.23 ; v1(2.6,42.1) 2.5,42.1
  L3 w0.5: v1(38.8,55) 38.8,52.58 38.6,52.38 v1(38.6,51.6) 39.01,51.19 ; 16.54,72.56 16.54,70.44 13.34,67.24 7.61,67.24 J1.1 1.55,63.63 1.55,43.15 v1(2.6,42.1) 7.7,42.1 v1(8.3,42.7) ; 16.54,72.56 17.01,72.09 v1(20.72,72.09) 36.45,72.09 36.53,72 v1(40.2,72) 49.2,72 51.2,74 ; 16.54,72.56 P4.18 ; 51.2,74 51.2,77.32 P10.3 ; 51.2,74 51.2,73.95 57.75,67.4 57.75,41.07 P1.1 52.08,35.4
DCDC_SW: length 1.9
  TOP w0.3: 31.4,66.35 31.4,66.35 ; 31.4,66.35 L1.1 ; 31.4,66.35 U1.33
DIO1: length 34.4
  TOP w0.15: J1.20 9.97,46.65 9.97,49.17 v1(11,50.2) ; v1(22.5,50.1) v1(24.95,52.55) ; v1(34.18,56.03) 33.72,56.49 33.72,56.63 32.4,57.95 U1.6
  L3 w0.15: v1(22.5,50.1) 12.1,50.1 12,50.2 v1(11,50.2) ; v1(24.95,52.55) 27.1,54.7 32.85,54.7 v1(34.18,56.03)
DIO4_SCL: length 99.9
  TOP w0.15: v1(42.97,70.26) 42.97,69.86 43.01,69.82 43.01,60.26 40.05,57.3 34.55,57.3 33.9,57.95 U1.9 ; R2.1 3.8,43.3 3.8,45.56 J1.17 4.26,48.14 2,50.4 2,68.4 6.8,73.2 6.82,73.2 9.22,75.6 32.7,75.6 v1(33.1,75.2) ; v1(37.7,70.33) 37.3,70.33 36.65,70.98 36.65,74.85 v1(37.1,75.3)
  L3 w0.15: v1(37.1,75.3) 37,75.2 v1(33.1,75.2) ; v1(42.97,70.26) 42.57,70.26 42.51,70.33 v1(37.7,70.33)
DIO5_SDA: length 98.1
  TOP w0.15: v1(37.1,73.5) 37.1,71.5 v1(37.6,71) ; v1(32.9,74) 32.9,74.7 32.3,75.3 9.4,75.3 2.3,68.2 2.3,50.7 3.6,49.4 6.61,49.4 7.43,48.57 7.43,46.65 J1.19 4.4,43.62 4.4,42.7 R3.1 ; U1.10 34.4,57.95 34.75,57.6 39.93,57.6 42.51,60.19 42.51,70.51 42.6,70.6 v1(42.6,71)
  L3 w0.15: v1(42.6,71) v1(37.6,71) ; v1(37.1,73.5) 36.6,74 v1(32.9,74)
DIO6_RLED: length 54.7
  TOP w0.15: v1(42,68.2) 42,60.38 39.68,58.05 v1(36.45,58.05) 35.68,58.05 35.53,57.9 35.05,57.9 34.9,58.05 U1.11
  L3 w0.15: J2.3 47,68.5 42.3,68.5 v1(42,68.2) ; P6.2 18.4,59.29 18.4,57.3 24.97,50.72 32.13,50.72 32.8,51.4 32.8,54 36.45,57.65 v1(36.45,58.05)
DIO7_GLED: length 43.6
  TOP w0.15: v1(41.5,68.8) 41.5,60.3 39.8,58.6 v1(36.15,58.6) U1.12
  L3 w0.15: v1(41.5,68.8) 48.22,68.8 48.56,68.46 J2.1 ; P6.4 19.69,59.51 23.3,55.9 33.45,55.9 v1(36.15,58.6)
DIO8_MISO: length 23.8
  TOP w0.15: U1.14 36.62,59.82 ; 36.62,59.82 36.62,59.82 ; 36.62,59.82 37.02,60.22 38.57,60.22 v1(39,59.8) ; U4.2 40.7,53.1 41,53.4 43.2,53.4 43.7,53.9 v1(43.7,54.3)
  L3 w0.15: J2.14 51.04,54.3 v1(43.7,54.3) 43.7,55.1 v1(39,59.8)
DIO9_MOSI: length 21
  TOP w0.15: v1(42.68,56.93) 42.27,56.93 41.7,56.35 U4.5 ; v1(39.6,60.2) 39.28,60.53 36.9,60.53 36.7,60.32 U1.15
  L3 w0.15: v1(39.6,60.2) 42.22,57.59 42.22,57.38 v1(42.68,56.93) 44.88,56.93 v1(45.2,56.6) 45.9,56.6 46.2,56.9 50.99,56.9 J2.12
DIO10_SCLK: length 92.3
  TOP w0.15: v1(45.14,60.39) 45.22,60.3 ; 45.22,60.3 45.22,60.3 45.22,67.88 45.2,67.9 v1(45.2,74.7) ; 45.22,60.3 44.78,60.3 41.2,56.72 U4.6 ; J1.13 3,56.6 3,67.97 9.72,74.7 31.5,74.7 v1(31.7,74.5) ; v1(40.3,60.9) 39.9,60.9 39.82,60.82 U1.16
  L3 w0.15: v1(45.2,74.7) 44.8,74.7 44.7,74.6 32.2,74.6 32.1,74.5 v1(31.7,74.5) ; v1(40.3,60.9) 40.81,60.39 v1(45.14,60.39)
DIO11_CS: length 22
  TOP w0.15: v1(50.4,59.5) 52.5,59.5 53.5,60.5 53.5,62 J2.6 ; U1.17 v1(38.2,61.32)
  L3 w0.15: v1(50.4,59.5) 47.4,59.5 45.9,61 40.8,61 40.48,61.32 v1(38.2,61.32)
DIO12: length 19.7
  TOP w0.15: v1(39,61.83) 38.6,61.83 38.6,61.82 U1.18 ; J2.4 51,64.8 48.65,64.8 48.2,64.35 48.2,61.98 48.12,61.9 v1(48.12,61.5)
  L3 w0.15: 48.2,61.5 v1(48.12,61.5) 47.52,61.5 47.1,61.93 40.82,61.93 40.72,61.83 v1(39,61.83)
DIO13_BTN1: length 88.6
  TOP w0.15: R56.2 6.82,73.62 ; 6.82,73.62 9.1,75.9 27,75.9 27.2,76.1 v1(27.6,76.1) ; 6.82,73.62 6.8,73.6 ; v1(40.8,69.3) 40.8,68.9 41,68.7 41,63.8 39.53,62.32 U1.19 ; v1(55.2,68.95) 55.2,66.5 55.1,66.4 55.1,53.66 J2.16 ; v1(37,70.03) 35.7,71.32 35.7,74.72 v1(36.6,75.62)
  L3 w0.15: v1(27.6,76.1) 33,76.1 33.47,75.62 v1(36.6,75.62) ; v1(37,70.03) 37.4,70.03 37.53,69.9 40.2,69.9 v1(40.8,69.3) 41.12,69.62 52.99,69.62 53.65,68.95 v1(55.2,68.95)
DIO14_BTN2: length 46.4
  TOP w0.15: U1.20 39.43,62.82 40.25,63.65 v1(40.25,64.35) ; J2.18 56.1,52.12 v1(56.1,62.2) 56.1,70.14 55.64,70.6 R55.2
  L3 w0.15: v1(40.25,64.35) 41.7,62.9 48.58,62.9 49.28,62.2 v1(56.1,62.2)
DIO15: length 39.6
  TOP w0.15: J2.20 56.62,50.09 56.62,58.41 56.7,58.5 56.7,61.16 56.63,61.23 v1(56.63,61.64) ; v1(39.6,63.8) 39.12,63.32 U1.21
  L3 w0.15: v1(39.6,63.8) 41.12,62.28 48.32,62.28 48.7,61.9 55.8,61.9 56.06,61.64 v1(56.63,61.64)
